# Altium PCB GEM_AFE_128.PcbDoc (part 4 of 18)
Units mm, origin at the board's own origin, x right, y up, seen from the top; angles counter-clockwise.
Board outline 112 x 81.5 mm, 8 copper layers (Top Layer, L1, L2, L3, L4, L5, L6, Bottom Layer), stack 1.52 mm thick; 1880 components, 1258 nets, 6287 pads, 2369 vias.
Unrouted connection lines stored in the file: 4.
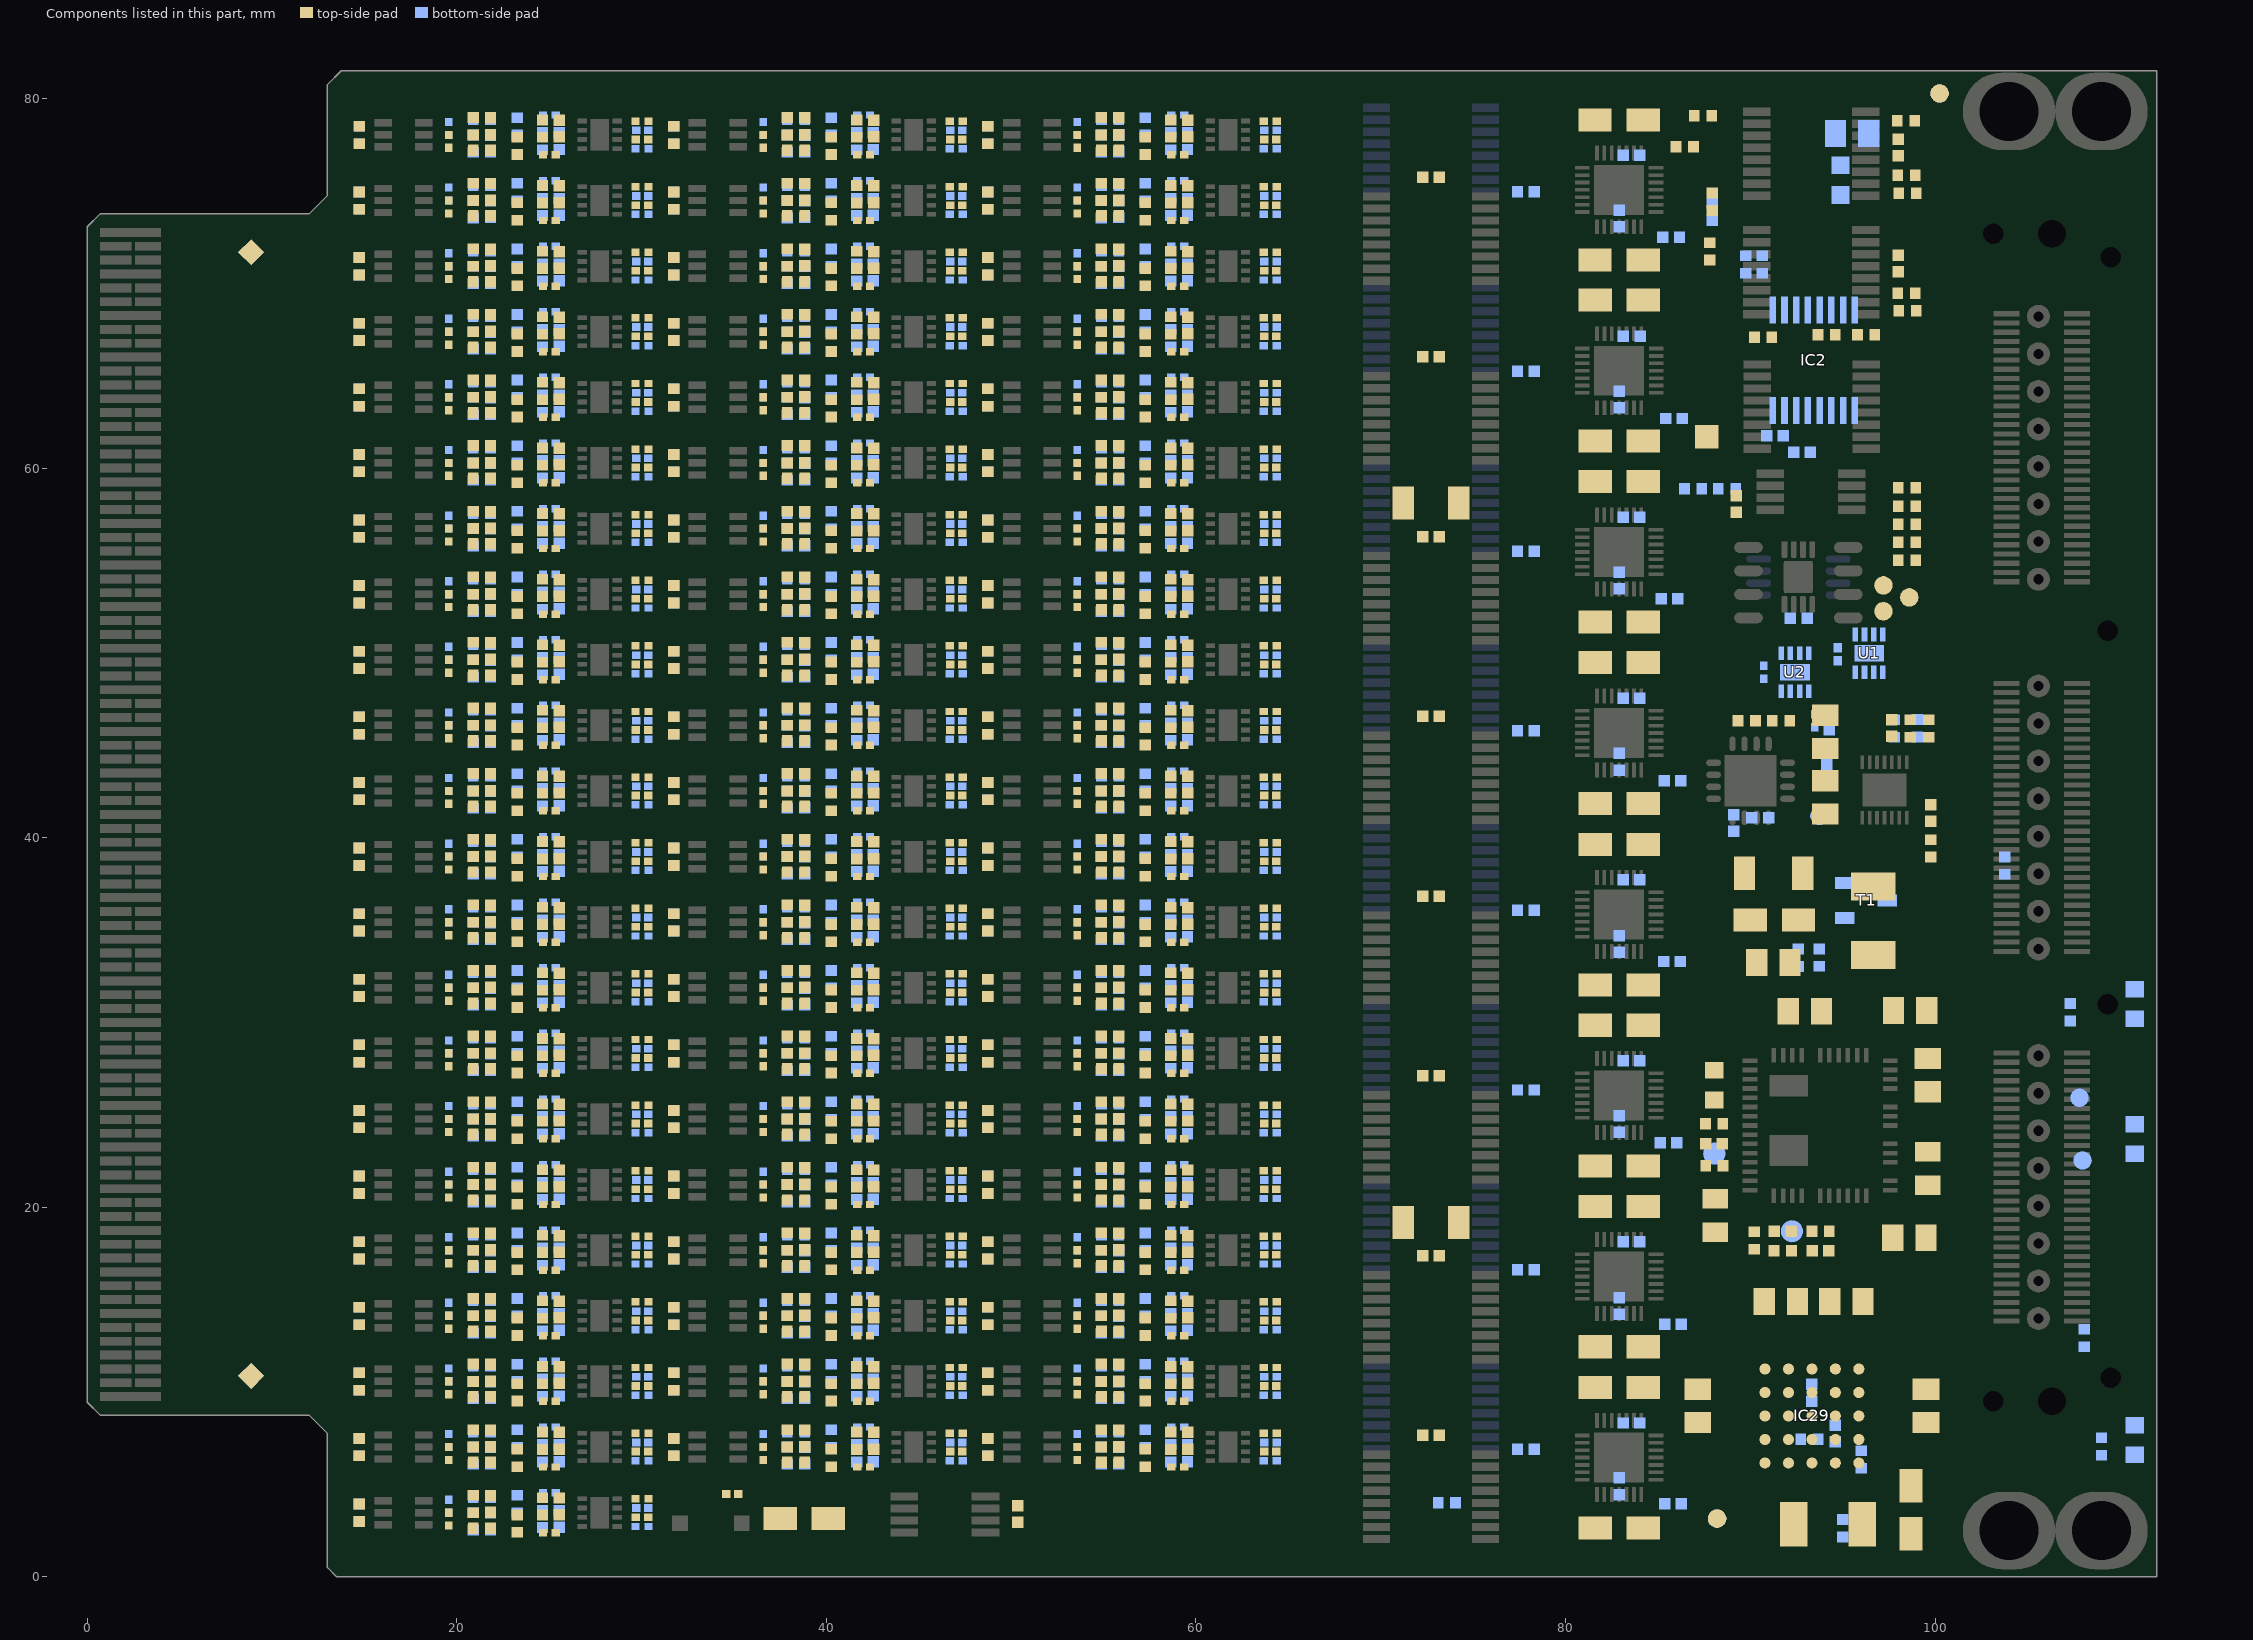
[diagram p10: the components of this part, seen from the top]

## Components (designator, comment, footprint, x,y, rotation, side; value= is the part's Value field where it differs from the comment) (continued)
R2DB "100k" RESC1005X40N 20.887,18.145 r90 top (schematic designator R2)
R2DC "100k" RESC1005X40N 37.887,18.145 r90 top (schematic designator R2)
R2DD "100k" RESC1005X40N 54.887,18.145 r90 top (schematic designator R2)
R2DE "100k" RESC1005X40N 20.887,13.655 r270 bottom (schematic designator R2)
R2DF "100k" RESC1005X40N 37.887,13.655 r270 bottom (schematic designator R2)
R2DG "100k" RESC1005X40N 54.887,13.655 r270 bottom (schematic designator R2)
R2DH "100k" RESC1005X40N 20.887,14.595 r90 top (schematic designator R2)
R2DI "100k" RESC1005X40N 37.887,14.595 r90 top (schematic designator R2)
R2DJ "100k" RESC1005X40N 54.887,14.595 r90 top (schematic designator R2)
R2DK "100k" RESC1005X40N 20.887,10.105 r270 bottom (schematic designator R2)
R2DL "100k" RESC1005X40N 37.887,10.105 r270 bottom (schematic designator R2)
R2DM "100k" RESC1005X40N 54.887,10.105 r270 bottom (schematic designator R2)
R2DN "100k" RESC1005X40N 20.887,11.045 r90 top (schematic designator R2)
R2DO "100k" RESC1005X40N 37.887,11.045 r90 top (schematic designator R2)
R2DP "100k" RESC1005X40N 54.887,11.045 r90 top (schematic designator R2)
R2DQ "100k" RESC1005X40N 20.887,6.555 r270 bottom (schematic designator R2)
R2DR "100k" RESC1005X40N 37.887,6.555 r270 bottom (schematic designator R2)
R2DS "100k" RESC1005X40N 54.887,6.555 r270 bottom (schematic designator R2)
R2DT "100k" RESC1005X40N 20.887,7.495 r90 top (schematic designator R2)
R2DU "100k" RESC1005X40N 37.887,7.495 r90 top (schematic designator R2)
R2DV "100k" RESC1005X40N 54.887,7.495 r90 top (schematic designator R2)
R2DW "100k" RESC1005X40N 20.887,3.005 r270 bottom (schematic designator R2)
R2DX "100k" RESC1005X40N 20.887,3.945 r90 top (schematic designator R2)
R2E "100k" RESC1005X40N 37.887,78.495 r90 top (schematic designator R2)
R2F "100k" RESC1005X40N 54.887,78.495 r90 top (schematic designator R2)
R2G "100k" RESC1005X40N 20.887,74.005 r270 bottom (schematic designator R2)
R2H "100k" RESC1005X40N 37.887,74.005 r270 bottom (schematic designator R2)
R2I "100k" RESC1005X40N 54.887,74.005 r270 bottom (schematic designator R2)
R2J "100k" RESC1005X40N 20.887,74.945 r90 top (schematic designator R2)
R2K "100k" RESC1005X40N 37.887,74.945 r90 top (schematic designator R2)
R2L "100k" RESC1005X40N 54.887,74.945 r90 top (schematic designator R2)
R2M "100k" RESC1005X40N 20.887,70.455 r270 bottom (schematic designator R2)
R2N "100k" RESC1005X40N 37.887,70.455 r270 bottom (schematic designator R2)
R2O "100k" RESC1005X40N 54.887,70.455 r270 bottom (schematic designator R2)
R2P "100k" RESC1005X40N 20.887,71.395 r90 top (schematic designator R2)
R2Q "100k" RESC1005X40N 37.887,71.395 r90 top (schematic designator R2)
R2R "100k" RESC1005X40N 54.887,71.395 r90 top (schematic designator R2)
R2S "100k" RESC1005X40N 20.887,66.905 r270 bottom (schematic designator R2)
R2T "100k" RESC1005X40N 37.887,66.905 r270 bottom (schematic designator R2)
R2U "100k" RESC1005X40N 54.887,66.905 r270 bottom (schematic designator R2)
R2V "100k" RESC1005X40N 20.887,67.845 r90 top (schematic designator R2)
R2W "100k" RESC1005X40N 37.887,67.845 r90 top (schematic designator R2)
R2X "100k" RESC1005X40N 54.887,67.845 r90 top (schematic designator R2)
R2Y "100k" RESC1005X40N 20.887,63.355 r270 bottom (schematic designator R2)
R2Z "100k" RESC1005X40N 37.887,63.355 r270 bottom (schematic designator R2)
R3 "1k" RESC1005X40N 73.574,4.018 r180 bottom
R4A "6k8" RESC1005X40N 14.736,78.017 r270 bottom (schematic designator R4)
R4AA "6k8" RESC1005X40N 48.736,63.817 r270 bottom (schematic designator R4)
R4AB "6k8" RESC1005X40N 14.736,63.817 r90 top (schematic designator R4)
R4AC "6k8" RESC1005X40N 31.736,63.817 r90 top (schematic designator R4)
R4AD "6k8" RESC1005X40N 48.736,63.817 r90 top (schematic designator R4)
R4AE "6k8" RESC1005X40N 14.736,60.267 r270 bottom (schematic designator R4)
R4AF "6k8" RESC1005X40N 31.736,60.267 r270 bottom (schematic designator R4)
R4AG "6k8" RESC1005X40N 48.736,60.267 r270 bottom (schematic designator R4)
R4AH "6k8" RESC1005X40N 14.736,60.267 r90 top (schematic designator R4)
R4AI "6k8" RESC1005X40N 31.736,60.267 r90 top (schematic designator R4)
R4AJ "6k8" RESC1005X40N 48.736,60.267 r90 top (schematic designator R4)
R4AK "6k8" RESC1005X40N 14.736,56.717 r270 bottom (schematic designator R4)
R4AL "6k8" RESC1005X40N 31.736,56.717 r270 bottom (schematic designator R4)
R4AM "6k8" RESC1005X40N 48.736,56.717 r270 bottom (schematic designator R4)
R4AN "6k8" RESC1005X40N 14.736,56.717 r90 top (schematic designator R4)
R4AO "6k8" RESC1005X40N 31.736,56.717 r90 top (schematic designator R4)
R4AP "6k8" RESC1005X40N 48.736,56.717 r90 top (schematic designator R4)
R4AQ "6k8" RESC1005X40N 14.736,53.167 r270 bottom (schematic designator R4)
R4AR "6k8" RESC1005X40N 31.736,53.167 r270 bottom (schematic designator R4)
R4AS "6k8" RESC1005X40N 48.736,53.167 r270 bottom (schematic designator R4)
R4AT "6k8" RESC1005X40N 14.736,53.167 r90 top (schematic designator R4)
R4AU "6k8" RESC1005X40N 31.736,53.167 r90 top (schematic designator R4)
R4AV "6k8" RESC1005X40N 48.736,53.167 r90 top (schematic designator R4)
R4AW "6k8" RESC1005X40N 14.736,49.617 r270 bottom (schematic designator R4)
R4AX "6k8" RESC1005X40N 31.736,49.617 r270 bottom (schematic designator R4)
R4AY "6k8" RESC1005X40N 48.736,49.617 r270 bottom (schematic designator R4)
R4AZ "6k8" RESC1005X40N 14.736,49.617 r90 top (schematic designator R4)
R4B "6k8" RESC1005X40N 31.736,78.017 r270 bottom (schematic designator R4)
R4BA "6k8" RESC1005X40N 31.736,49.617 r90 top (schematic designator R4)
R4BB "6k8" RESC1005X40N 48.736,49.617 r90 top (schematic designator R4)
R4BC "6k8" RESC1005X40N 14.736,46.067 r270 bottom (schematic designator R4)
R4BD "6k8" RESC1005X40N 31.736,46.067 r270 bottom (schematic designator R4)
R4BE "6k8" RESC1005X40N 48.736,46.067 r270 bottom (schematic designator R4)
R4BF "6k8" RESC1005X40N 14.736,46.067 r90 top (schematic designator R4)
R4BG "6k8" RESC1005X40N 31.736,46.067 r90 top (schematic designator R4)
R4BH "6k8" RESC1005X40N 48.736,46.067 r90 top (schematic designator R4)
R4BI "6k8" RESC1005X40N 14.736,42.517 r270 bottom (schematic designator R4)
R4BJ "6k8" RESC1005X40N 31.736,42.517 r270 bottom (schematic designator R4)
R4BK "6k8" RESC1005X40N 48.736,42.517 r270 bottom (schematic designator R4)
R4BL "6k8" RESC1005X40N 14.736,42.517 r90 top (schematic designator R4)
R4BM "6k8" RESC1005X40N 31.736,42.517 r90 top (schematic designator R4)
R4BN "6k8" RESC1005X40N 48.736,42.517 r90 top (schematic designator R4)
R4BO "6k8" RESC1005X40N 14.736,38.967 r270 bottom (schematic designator R4)
R4BP "6k8" RESC1005X40N 31.736,38.967 r270 bottom (schematic designator R4)
R4BQ "6k8" RESC1005X40N 48.736,38.967 r270 bottom (schematic designator R4)
R4BR "6k8" RESC1005X40N 14.736,38.967 r90 top (schematic designator R4)
R4BS "6k8" RESC1005X40N 31.736,38.967 r90 top (schematic designator R4)
R4BT "6k8" RESC1005X40N 48.736,38.967 r90 top (schematic designator R4)
R4BU "6k8" RESC1005X40N 14.736,35.417 r270 bottom (schematic designator R4)
R4BV "6k8" RESC1005X40N 31.736,35.417 r270 bottom (schematic designator R4)
R4BW "6k8" RESC1005X40N 48.736,35.417 r270 bottom (schematic designator R4)
R4BX "6k8" RESC1005X40N 14.736,35.417 r90 top (schematic designator R4)
R4BY "6k8" RESC1005X40N 31.736,35.417 r90 top (schematic designator R4)
R4BZ "6k8" RESC1005X40N 48.736,35.417 r90 top (schematic designator R4)
R4C "6k8" RESC1005X40N 48.736,78.017 r270 bottom (schematic designator R4)
R4CA "6k8" RESC1005X40N 14.736,31.867 r270 bottom (schematic designator R4)
R4CB "6k8" RESC1005X40N 31.736,31.867 r270 bottom (schematic designator R4)
R4CC "6k8" RESC1005X40N 48.736,31.867 r270 bottom (schematic designator R4)
R4CD "6k8" RESC1005X40N 14.736,31.867 r90 top (schematic designator R4)
R4CE "6k8" RESC1005X40N 31.736,31.867 r90 top (schematic designator R4)
R4CF "6k8" RESC1005X40N 48.736,31.867 r90 top (schematic designator R4)
R4CG "6k8" RESC1005X40N 14.736,28.317 r270 bottom (schematic designator R4)
R4CH "6k8" RESC1005X40N 31.736,28.317 r270 bottom (schematic designator R4)
R4CI "6k8" RESC1005X40N 48.736,28.317 r270 bottom (schematic designator R4)
R4CJ "6k8" RESC1005X40N 14.736,28.317 r90 top (schematic designator R4)
R4CK "6k8" RESC1005X40N 31.736,28.317 r90 top (schematic designator R4)
R4CL "6k8" RESC1005X40N 48.736,28.317 r90 top (schematic designator R4)
R4CM "6k8" RESC1005X40N 14.736,24.767 r270 bottom (schematic designator R4)
R4CN "6k8" RESC1005X40N 31.736,24.767 r270 bottom (schematic designator R4)
R4CO "6k8" RESC1005X40N 48.736,24.767 r270 bottom (schematic designator R4)
R4CP "6k8" RESC1005X40N 14.736,24.767 r90 top (schematic designator R4)
R4CQ "6k8" RESC1005X40N 31.736,24.767 r90 top (schematic designator R4)
R4CR "6k8" RESC1005X40N 48.736,24.767 r90 top (schematic designator R4)
R4CS "6k8" RESC1005X40N 14.736,21.217 r270 bottom (schematic designator R4)
R4CT "6k8" RESC1005X40N 31.736,21.217 r270 bottom (schematic designator R4)
R4CU "6k8" RESC1005X40N 48.736,21.217 r270 bottom (schematic designator R4)
R4CV "6k8" RESC1005X40N 14.736,21.217 r90 top (schematic designator R4)
R4CW "6k8" RESC1005X40N 31.736,21.217 r90 top (schematic designator R4)
R4CX "6k8" RESC1005X40N 48.736,21.217 r90 top (schematic designator R4)
R4CY "6k8" RESC1005X40N 14.736,17.667 r270 bottom (schematic designator R4)
R4CZ "6k8" RESC1005X40N 31.736,17.667 r270 bottom (schematic designator R4)
R4D "6k8" RESC1005X40N 14.736,78.017 r90 top (schematic designator R4)
R4DA "6k8" RESC1005X40N 48.736,17.667 r270 bottom (schematic designator R4)
R4DB "6k8" RESC1005X40N 14.736,17.667 r90 top (schematic designator R4)
R4DC "6k8" RESC1005X40N 31.736,17.667 r90 top (schematic designator R4)
R4DD "6k8" RESC1005X40N 48.736,17.667 r90 top (schematic designator R4)
R4DE "6k8" RESC1005X40N 14.736,14.117 r270 bottom (schematic designator R4)
R4DF "6k8" RESC1005X40N 31.736,14.117 r270 bottom (schematic designator R4)
R4DG "6k8" RESC1005X40N 48.736,14.117 r270 bottom (schematic designator R4)
R4DH "6k8" RESC1005X40N 14.736,14.117 r90 top (schematic designator R4)
R4DI "6k8" RESC1005X40N 31.736,14.117 r90 top (schematic designator R4)
R4DJ "6k8" RESC1005X40N 48.736,14.117 r90 top (schematic designator R4)
R4DK "6k8" RESC1005X40N 14.736,10.567 r270 bottom (schematic designator R4)
R4DL "6k8" RESC1005X40N 31.736,10.567 r270 bottom (schematic designator R4)
R4DM "6k8" RESC1005X40N 48.736,10.567 r270 bottom (schematic designator R4)
R4DN "6k8" RESC1005X40N 14.736,10.567 r90 top (schematic designator R4)
R4DO "6k8" RESC1005X40N 31.736,10.567 r90 top (schematic designator R4)
R4DP "6k8" RESC1005X40N 48.736,10.567 r90 top (schematic designator R4)
R4DQ "6k8" RESC1005X40N 14.736,7.017 r270 bottom (schematic designator R4)
R4DR "6k8" RESC1005X40N 31.736,7.017 r270 bottom (schematic designator R4)
R4DS "6k8" RESC1005X40N 48.736,7.017 r270 bottom (schematic designator R4)
R4DT "6k8" RESC1005X40N 14.736,7.017 r90 top (schematic designator R4)
R4DU "6k8" RESC1005X40N 31.736,7.017 r90 top (schematic designator R4)
R4DV "6k8" RESC1005X40N 48.736,7.017 r90 top (schematic designator R4)
R4DW "6k8" RESC1005X40N 14.736,3.467 r270 bottom (schematic designator R4)
R4DX "6k8" RESC1005X40N 14.736,3.467 r90 top (schematic designator R4)
R4E "6k8" RESC1005X40N 31.736,78.017 r90 top (schematic designator R4)
R4F "6k8" RESC1005X40N 48.736,78.017 r90 top (schematic designator R4)
R4G "6k8" RESC1005X40N 14.736,74.467 r270 bottom (schematic designator R4)
R4H "6k8" RESC1005X40N 31.736,74.467 r270 bottom (schematic designator R4)
R4I "6k8" RESC1005X40N 48.736,74.467 r270 bottom (schematic designator R4)
R4J "6k8" RESC1005X40N 14.736,74.467 r90 top (schematic designator R4)
R4K "6k8" RESC1005X40N 31.736,74.467 r90 top (schematic designator R4)
R4L "6k8" RESC1005X40N 48.736,74.467 r90 top (schematic designator R4)
R4M "6k8" RESC1005X40N 14.736,70.917 r270 bottom (schematic designator R4)
R4N "6k8" RESC1005X40N 31.736,70.917 r270 bottom (schematic designator R4)
R4O "6k8" RESC1005X40N 48.736,70.917 r270 bottom (schematic designator R4)
R4P "6k8" RESC1005X40N 14.736,70.917 r90 top (schematic designator R4)
R4Q "6k8" RESC1005X40N 31.736,70.917 r90 top (schematic designator R4)
R4R "6k8" RESC1005X40N 48.736,70.917 r90 top (schematic designator R4)
R4S "6k8" RESC1005X40N 14.736,67.367 r270 bottom (schematic designator R4)
R4T "6k8" RESC1005X40N 31.736,67.367 r270 bottom (schematic designator R4)
R4U "6k8" RESC1005X40N 48.736,67.367 r270 bottom (schematic designator R4)
R4V "6k8" RESC1005X40N 14.736,67.367 r90 top (schematic designator R4)
R4W "6k8" RESC1005X40N 31.736,67.367 r90 top (schematic designator R4)
R4X "6k8" RESC1005X40N 48.736,67.367 r90 top (schematic designator R4)
R4Y "6k8" RESC1005X40N 14.736,63.817 r270 bottom (schematic designator R4)
R4Z "6k8" RESC1005X40N 31.736,63.817 r270 bottom (schematic designator R4)
R5A "10k" RESC1005X40N 24.639,77.685 r270 bottom (schematic designator R5)
R5AA "10k" RESC1005X40N 58.639,63.485 r270 bottom (schematic designator R5)
R5AB "10k" RESC1005X40N 24.639,64.165 r90 top (schematic designator R5)
R5AC "10k" RESC1005X40N 41.639,64.165 r90 top (schematic designator R5)
R5AD "10k" RESC1005X40N 58.639,64.165 r90 top (schematic designator R5)
R5AE "10k" RESC1005X40N 24.639,59.935 r270 bottom (schematic designator R5)
R5AF "10k" RESC1005X40N 41.639,59.935 r270 bottom (schematic designator R5)
R5AG "10k" RESC1005X40N 58.639,59.935 r270 bottom (schematic designator R5)
R5AH "10k" RESC1005X40N 24.639,60.615 r90 top (schematic designator R5)
R5AI "10k" RESC1005X40N 41.639,60.615 r90 top (schematic designator R5)
R5AJ "10k" RESC1005X40N 58.639,60.615 r90 top (schematic designator R5)
R5AK "10k" RESC1005X40N 24.639,56.385 r270 bottom (schematic designator R5)
R5AL "10k" RESC1005X40N 41.639,56.385 r270 bottom (schematic designator R5)
R5AM "10k" RESC1005X40N 58.639,56.385 r270 bottom (schematic designator R5)
R5AN "10k" RESC1005X40N 24.639,57.065 r90 top (schematic designator R5)
R5AO "10k" RESC1005X40N 41.639,57.065 r90 top (schematic designator R5)
R5AP "10k" RESC1005X40N 58.639,57.065 r90 top (schematic designator R5)
R5AQ "10k" RESC1005X40N 24.639,52.835 r270 bottom (schematic designator R5)
R5AR "10k" RESC1005X40N 41.639,52.835 r270 bottom (schematic designator R5)
R5AS "10k" RESC1005X40N 58.639,52.835 r270 bottom (schematic designator R5)
R5AT "10k" RESC1005X40N 24.639,53.515 r90 top (schematic designator R5)
R5AU "10k" RESC1005X40N 41.639,53.515 r90 top (schematic designator R5)
R5AV "10k" RESC1005X40N 58.639,53.515 r90 top (schematic designator R5)
R5AW "10k" RESC1005X40N 24.639,49.285 r270 bottom (schematic designator R5)
R5AX "10k" RESC1005X40N 41.639,49.285 r270 bottom (schematic designator R5)
R5AY "10k" RESC1005X40N 58.639,49.285 r270 bottom (schematic designator R5)
R5AZ "10k" RESC1005X40N 24.639,49.965 r90 top (schematic designator R5)
R5B "10k" RESC1005X40N 41.639,77.685 r270 bottom (schematic designator R5)
R5BA "10k" RESC1005X40N 41.639,49.965 r90 top (schematic designator R5)
R5BB "10k" RESC1005X40N 58.639,49.965 r90 top (schematic designator R5)
R5BC "10k" RESC1005X40N 24.639,45.735 r270 bottom (schematic designator R5)
R5BD "10k" RESC1005X40N 41.639,45.735 r270 bottom (schematic designator R5)
R5BE "10k" RESC1005X40N 58.639,45.735 r270 bottom (schematic designator R5)
R5BF "10k" RESC1005X40N 24.639,46.415 r90 top (schematic designator R5)
R5BG "10k" RESC1005X40N 41.639,46.415 r90 top (schematic designator R5)
R5BH "10k" RESC1005X40N 58.639,46.415 r90 top (schematic designator R5)
R5BI "10k" RESC1005X40N 24.639,42.185 r270 bottom (schematic designator R5)
R5BJ "10k" RESC1005X40N 41.639,42.185 r270 bottom (schematic designator R5)
R5BK "10k" RESC1005X40N 58.639,42.185 r270 bottom (schematic designator R5)
R5BL "10k" RESC1005X40N 24.639,42.865 r90 top (schematic designator R5)
R5BM "10k" RESC1005X40N 41.639,42.865 r90 top (schematic designator R5)
R5BN "10k" RESC1005X40N 58.639,42.865 r90 top (schematic designator R5)
R5BO "10k" RESC1005X40N 24.639,38.635 r270 bottom (schematic designator R5)
R5BP "10k" RESC1005X40N 41.639,38.635 r270 bottom (schematic designator R5)
R5BQ "10k" RESC1005X40N 58.639,38.635 r270 bottom (schematic designator R5)
R5BR "10k" RESC1005X40N 24.639,39.315 r90 top (schematic designator R5)
R5BS "10k" RESC1005X40N 41.639,39.315 r90 top (schematic designator R5)
R5BT "10k" RESC1005X40N 58.639,39.315 r90 top (schematic designator R5)
R5BU "10k" RESC1005X40N 24.639,35.085 r270 bottom (schematic designator R5)
R5BV "10k" RESC1005X40N 41.639,35.085 r270 bottom (schematic designator R5)
R5BW "10k" RESC1005X40N 58.639,35.085 r270 bottom (schematic designator R5)
R5BX "10k" RESC1005X40N 24.639,35.765 r90 top (schematic designator R5)
R5BY "10k" RESC1005X40N 41.639,35.765 r90 top (schematic designator R5)
R5BZ "10k" RESC1005X40N 58.639,35.765 r90 top (schematic designator R5)
R5C "10k" RESC1005X40N 58.639,77.685 r270 bottom (schematic designator R5)
R5CA "10k" RESC1005X40N 24.639,31.535 r270 bottom (schematic designator R5)
R5CB "10k" RESC1005X40N 41.639,31.535 r270 bottom (schematic designator R5)
R5CC "10k" RESC1005X40N 58.639,31.535 r270 bottom (schematic designator R5)
R5CD "10k" RESC1005X40N 24.639,32.215 r90 top (schematic designator R5)
R5CE "10k" RESC1005X40N 41.639,32.215 r90 top (schematic designator R5)
R5CF "10k" RESC1005X40N 58.639,32.215 r90 top (schematic designator R5)
R5CG "10k" RESC1005X40N 24.639,27.985 r270 bottom (schematic designator R5)
R5CH "10k" RESC1005X40N 41.639,27.985 r270 bottom (schematic designator R5)
R5CI "10k" RESC1005X40N 58.639,27.985 r270 bottom (schematic designator R5)
R5CJ "10k" RESC1005X40N 24.639,28.665 r90 top (schematic designator R5)
R5CK "10k" RESC1005X40N 41.639,28.665 r90 top (schematic designator R5)
R5CL "10k" RESC1005X40N 58.639,28.665 r90 top (schematic designator R5)
R5CM "10k" RESC1005X40N 24.639,24.435 r270 bottom (schematic designator R5)
R5CN "10k" RESC1005X40N 41.639,24.435 r270 bottom (schematic designator R5)
R5CO "10k" RESC1005X40N 58.639,24.435 r270 bottom (schematic designator R5)
R5CP "10k" RESC1005X40N 24.639,25.115 r90 top (schematic designator R5)
R5CQ "10k" RESC1005X40N 41.639,25.115 r90 top (schematic designator R5)
R5CR "10k" RESC1005X40N 58.639,25.115 r90 top (schematic designator R5)
R5CS "10k" RESC1005X40N 24.639,20.885 r270 bottom (schematic designator R5)
R5CT "10k" RESC1005X40N 41.639,20.885 r270 bottom (schematic designator R5)
R5CU "10k" RESC1005X40N 58.639,20.885 r270 bottom (schematic designator R5)
R5CV "10k" RESC1005X40N 24.639,21.565 r90 top (schematic designator R5)
R5CW "10k" RESC1005X40N 41.639,21.565 r90 top (schematic designator R5)
R5CX "10k" RESC1005X40N 58.639,21.565 r90 top (schematic designator R5)
R5CY "10k" RESC1005X40N 24.639,17.335 r270 bottom (schematic designator R5)
R5CZ "10k" RESC1005X40N 41.639,17.335 r270 bottom (schematic designator R5)
R5D "10k" RESC1005X40N 24.639,78.365 r90 top (schematic designator R5)
R5DA "10k" RESC1005X40N 58.639,17.335 r270 bottom (schematic designator R5)
R5DB "10k" RESC1005X40N 24.639,18.015 r90 top (schematic designator R5)
R5DC "10k" RESC1005X40N 41.639,18.015 r90 top (schematic designator R5)
R5DD "10k" RESC1005X40N 58.639,18.015 r90 top (schematic designator R5)
R5DE "10k" RESC1005X40N 24.639,13.785 r270 bottom (schematic designator R5)
R5DF "10k" RESC1005X40N 41.639,13.785 r270 bottom (schematic designator R5)